# Altium PCB DCAR_Motors_Relays.PcbDoc (part 3 of 4)
Units mm, origin at the board's own origin, x right, y up, seen from the top; angles counter-clockwise.
Board outline 250 x 200 mm, 2 copper layers (Top Layer, Bottom Layer), stack 1.58 mm thick; 518 components, 309 nets, 1482 pads, 776 vias.
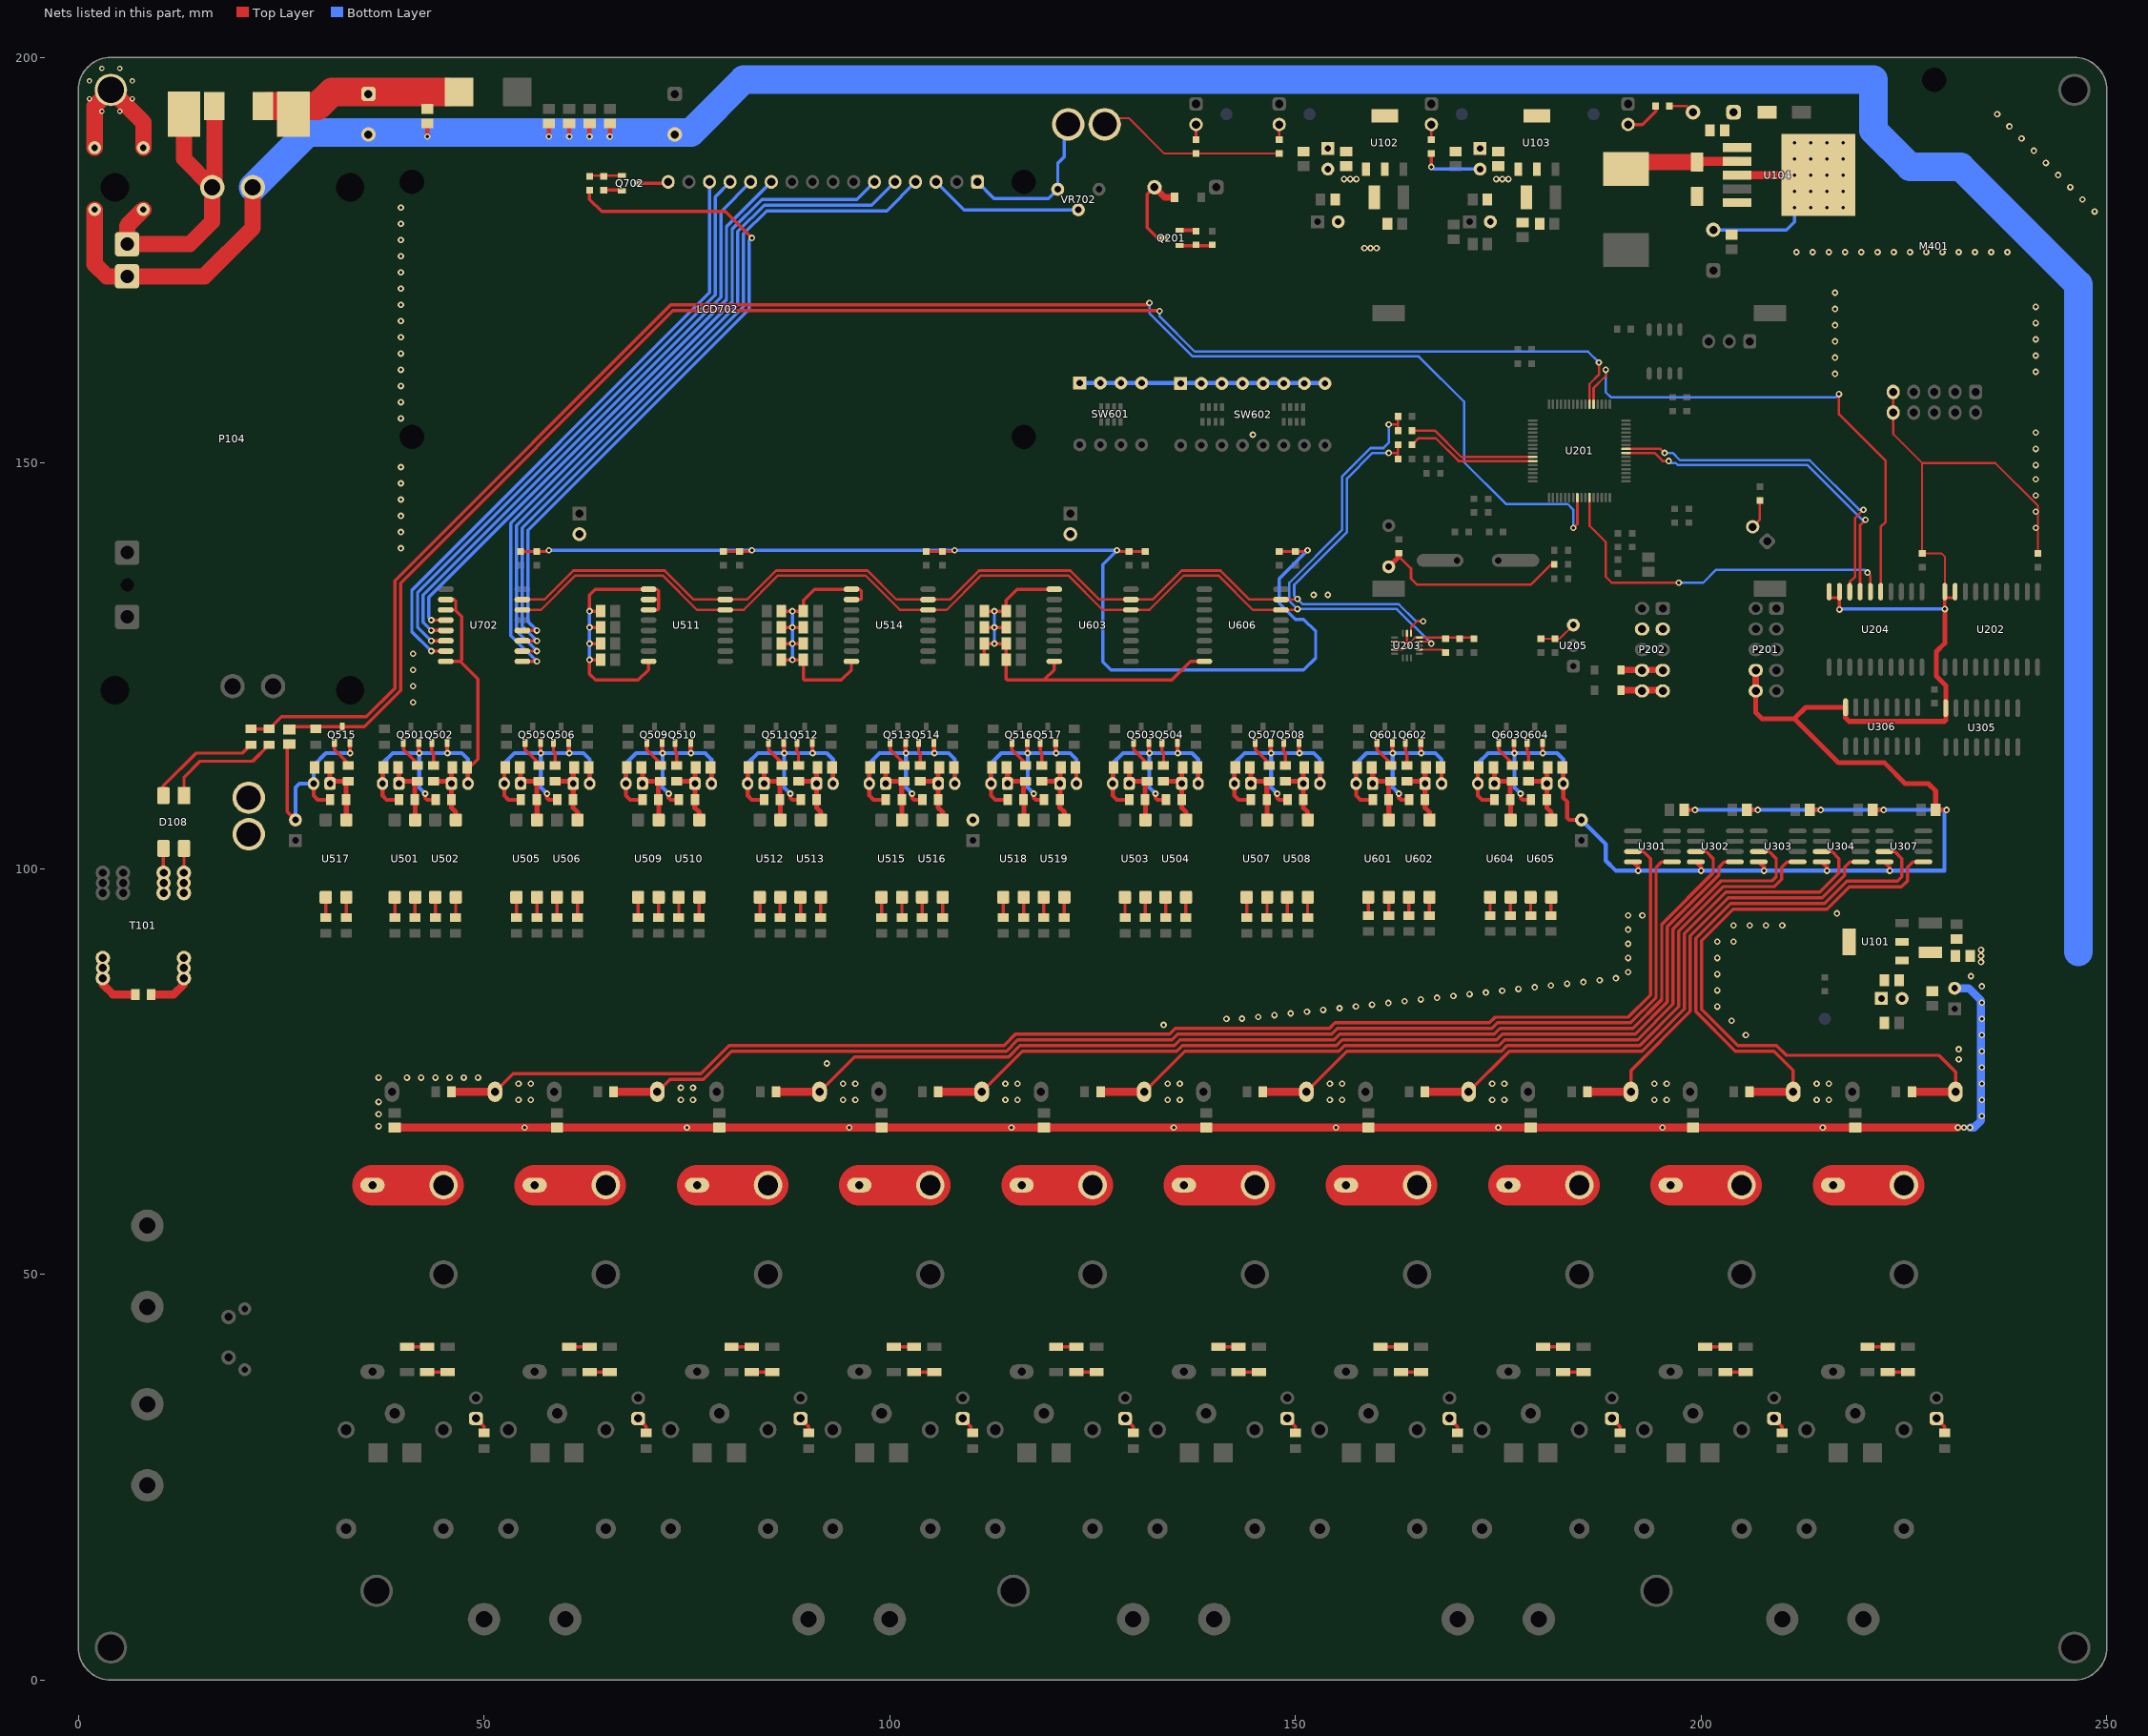
[diagram p3: the nets of this part, all layers, seen from the top]

## Via types
v1: diameter 0.8, hole 0.4, Top Layer to Bottom Layer, tented both sides, 720 vias
v2: diameter 0.66, hole 0.33, Top Layer to Bottom Layer, tented both sides, 56 vias

## Nets (pads, with @x,y where several pads share a name; then routed paths per layer and width w, separated by ;. In a path a pad name is that pad's centre, name@x,y a point inside that pad or via, vN(x,y) a via of type N, cw(c..) or ccw(c..) an arc to the next point about the centre after c; other vN are vias at no path point) (continued)
GND: C102.2 C103.2 C104.2 C105.2 C106.1 C113.2 C114.2 C115.2 C116.2 C117.2 C118.2 C119.2 C120.2 C121.2 C122.2 C124.2 C125.2 C126.2 C128.2 C129.2 C132.2 C134.2 C135.2 C136.2 C216.2 C217.2 C218.2 C219.2 C220.2 C223.2 C311.2 C312.2 C313.2 C314.2 C315.2 C501.2 C502.2 C503.2 C504.2 C505.2 C506.2 C507.2 C508.2 C509.1 C510.1 C511.1 C512.1 C513.1 C514.1 C515.1 C516.1 C517.2 C518.2 C519.1 C520.1 C521.1 C522.1 C523.1 C524.1 C525.1 C526.1 C527.2 C528.2 C529.2 C530.2 C531.2 C532.2 C533.2 C534.2 C535.2 C536.2 C537.2 C538.1 C539.2 C540.2 C541.2 C542.2 C543.2 C544.2 C545.2 C546.2 C547.2 C548.2 C549.2 C550.2 C551.2 C552.2 C553.2 C554.2 C555.2 C556.2 C557.2 C558.2 C559.2 C560.2 C601.2 C602.2 C603.2 C604.2 C605.2 C606.2 C607.1 C608.1 C609.1 C610.1 C611.2 C612.2 C613.2 C614.2 C615.2 C616.2 C702.2 C703.2 D106.1 D108.2 GND1.1 GND2.1 GND3.1 GND4.1 L106.1 L203.1 LCD702.1 M401.9 M401.10 P103.2 P104.4 P201.8 P201.10 P202.3 P202.4 Q201.2 Q501.2 Q502.2 Q503.2 Q504.2 Q505.2 Q506.2 Q507.2 Q508.2 Q509.2 Q510.2 Q511.2 Q512.2 Q513.2 Q514.2 Q515.2 Q516.2 Q517.2 Q601.2 Q602.2 Q603.2 Q604.2 Q702.2 R101.1 R102.1 R104.1 R105.1 R106.1 R208.1 R215.1 R513.1 R514.1 R515.1 R516.1 R529.1 R530.1 R531.1 R532.1 R539.1 R540.1 R547.1 R548.1 R555.1 R556.1 R566.1 R567.1 R568.1 R607.1 R608.1 R615.1 R616.1 R703.1 SW601.1 SW601.2 SW601.3 SW601.4 SW602.1 SW602.2 SW602.3 SW602.4 SW602.5 SW602.6 SW602.7 SW602.8 U102.1 U103.1 U104.3 U104.5 U104.6 U202.9 U202.10 U203.5 U203.7 U203.10 U203.12 U204.9 U204.10 U205.3 U301.4 U302.4 U303.4 U304.4 U305.8 U306.8 U307.4 U511.1 U511.2 U511.3 U511.8 U514.1 U514.2 U514.8 U603.1 U603.8 U606.8 U702.2 U702.3 U702.8 VR702.3 | length 1435.9
  Top Layer w0.25: GND3.1@125.75,192.5 129.5,192.5 133.85,188.15 R101.1@137.75,188.15 R102.1@148,188.15 ; U203.12@162.225,127 163.25,127 v1(163.75,127.5) ; U203.10@162.225,128 163.25,128 v1(163.75,127.5) ; U203.7@163.75,129.025 v1(163.75,127.5) ; C217.2@170.25,128.35 C217.2@170.1,128.5 ; C218.2@172,128.35 171.85,128.5 C217.2@170.1,128.5 ; C223.2@180.25,128.35 R215.1@182,128.35 182.56,128.35 U205.3@184.25,130.04 ; R104.1@196.1,194 198.25,194 C124.2@199,193.25 ; M401.9@223.67,158.77 M401.10@223.67,156.23 223.67,153.58 227.25,150 ; U202.10@230.035,134.15 230.035,138.465 229.65,138.85 C216.2@227.25,138.85 227.25,150 ; C220.2@241.5,138.85 241.5,144.75 236.25,150 227.25,150 ; v1(163.75,127.5) 164.75,128.5 U203.5@165.275,128.5 C217.2@170.1,128.5
  Top Layer w0.4: D108.2@10.48,109 10.48,110.23 14.5,114.25 20.225,114.25 R105.1@21.25,115.275 ; C538.1@25.75,115.35 25.75,107.02 C558.2@26.75,106.02 ; U702.8@45.275,125.555 47.055,125.555 ; U702.2@45.275,133.175 46.325,133.175 46.5,133 46.5,132 46.405,131.905 47.25,131.06 47.25,125.75 47.055,125.555 ; C502.2@47.9,112.5 48.25,112.5 49.25,113.5 49.25,123.36 47.055,125.555 ; C702.2@54.5,139.1 C703.2@56.5,139.1 57.85,139.1 v1(58,139.25) ; v1(63,127.75) C511.1@64.35,127.75 ; v1(63,129.75) C510.1@64.35,129.75 ; C512.1@64.35,125.75 v1(63,125.75) 63,124 63.75,123.25 69,123.25 70.275,124.525 U511.8@70.275,125.555 ; C509.1@64.35,131.75 v1(63,131.75) 63,133.75 63.695,134.445 U511.1@70.275,134.445 71.305,134.445 71.5,134.25 71.5,133.25 ; R703.1@64.75,183.65 66.9,183.65 Q702.2@67,183.55 ; U511.3@70.275,131.905 71.405,131.905 71.5,132 71.5,133.25 ; U511.2@70.275,133.175 71.425,133.175 71.5,133.25 ; C528.2@79.5,139.1 C527.2@81.5,139.1 82.85,139.1 v1(83,139.25) ; C513.1@86.65,125.75 v1(88,125.75) C522.1@89.35,125.75 89.35,123.4 89.5,123.25 94,123.25 95.275,124.525 U514.8@95.275,125.555 ; C514.1@86.65,127.75 v1(88,127.75) C521.1@89.35,127.75 ; C515.1@86.65,129.75 v1(88,129.75) C520.1@89.35,129.75 ; C516.1@86.65,131.75 v1(88,131.75) C519.1@89.35,131.75 89.35,133.1 90.695,134.445 U514.1@95.275,134.445 96.305,134.445 96.5,134.25 96.5,133.25 96.425,133.175 U514.2@95.275,133.175 ; C534.2@104.5,139.1 107.85,139.1 v1(108,139.25) ; C525.1@111.55,129.75 v1(112.9,129.75) C608.1@114.25,129.75 ; C526.1@111.55,131.75 v1(112.9,131.75) C607.1@114.25,131.75 ; C523.1@111.65,125.75 C524.1@111.65,127.75 v1(112.9,127.75) C609.1@114.25,127.75 ; C609.1@114.35,127.75 C610.1@114.35,125.75 114.35,123.4 114.5,123.25 119,123.25 ; C607.1@114.35,131.75 114.35,133.1 115.695,134.445 U603.1@120.275,134.445 ; U603.8@120.275,125.555 120.275,124.525 119,123.25 ; v1(128,139.25) 128.15,139.1 C604.2@129.5,139.1 C603.2@131.5,139.1 ; U606.8@138.775,125.555 137.055,125.555 134.75,123.25 119,123.25 ; C612.2@148,139.1 C611.2@150,139.1 151.35,139.1 v1(151.5,139.25) ; v1(166.75,186.5) R106.1@166.75,188.15 ; U204.10@215.785,133.4 U204.9@217.055,133.4 ; v1(217.055,131.945) U204.9@217.055,133.4 ; U204.9@217.055,134.15 U204.9@217.055,133.4 ; v1(230.035,132) 230.035,133.4 U202.9@231.305,133.4
  Top Layer w0.5: C555.2@28.984,110.5 28.984,109.016 29.5,108.5 R566.1@31.025,108.5 ; Q515.2@33.45,115.5 33.45,114.3 v1(33.5,114.25) ; C501.2@37.6,112.5 37.484,112.384 C539.2@37.484,110.5 37.484,109.016 38,108.5 R513.1@39.525,108.5 ; Q501.2@41.95,115.5 41.95,114.3 v1(42,114.25) ; v1(42.75,109.25) 42.75,108.75 43,108.5 R514.1@44.025,108.5 ; v1(43,190.25) C105.2@43,191.85 ; Q502.2@45.45,115.5 45.45,114.3 v1(45.5,114.25) ; C502.2@47.9,112.5 48.016,112.384 C540.2@48.016,110.5 ; C505.2@52.6,112.5 52.484,112.384 52.484,109.016 53,108.5 R529.1@54.525,108.5 ; Q505.2@56.95,115.5 56.95,114.3 v1(57,114.25) ; v1(57.75,109.25) 57.75,108.75 58,108.5 R530.1@59.025,108.5 ; v1(58,190.25) C102.2@58,191.85 ; Q506.2@60.45,115.5 60.45,114.3 v1(60.5,114.25) ; v1(60.5,190.25) C134.2@60.5,191.85 ; C506.2@62.9,112.5 63.016,112.384 C544.2@63.016,110.5 ; v1(63,190.25) C135.2@63,191.85 ; v1(65.5,190.25) C136.2@65.5,191.85 ; C517.2@67.6,112.5 67.484,112.384 67.484,109.016 68,108.5 R539.1@69.525,108.5 ; Q509.2@71.95,115.5 71.95,114.3 v1(72,114.25) ; v1(72.75,109.25) 72.75,108.75 73,108.5 R540.1@74.025,108.5 ; Q510.2@75.45,115.5 75.45,114.3 v1(75.5,114.25) ; C518.2@77.9,112.5 78.016,112.384 C548.2@78.016,110.5 ; C529.2@82.6,112.5 82.484,112.384 82.484,109.016 83,108.5 R547.1@84.525,108.5 ; Q511.2@86.95,115.5 86.95,114.3 v1(87,114.25) ; v1(87.75,109.25) 87.75,108.75 88,108.5 R548.1@89.025,108.5 ; Q512.2@90.45,115.5 90.45,114.3 v1(90.5,114.25) ; C530.2@92.9,112.5 93.016,112.384 C550.2@93.016,110.5 ; C531.2@97.6,112.5 97.484,112.384 97.484,109.016 98,108.5 R555.1@99.525,108.5 ; Q513.2@101.95,115.5 101.95,114.3 v1(102,114.25) ; v1(102.75,109.25) 102.75,108.75 103,108.5 R556.1@104.025,108.5 ; Q514.2@105.45,115.5 105.45,114.3 v1(105.5,114.25) ; C532.2@107.9,112.5 108.016,112.384 C552.2@108.016,110.5 ; C536.2@112.6,112.5 112.484,112.384 112.484,109.016 113,108.5 R567.1@114.525,108.5 ; Q516.2@116.95,115.5 116.95,114.3 v1(117,114.25) ; v1(117.75,109.25) 117.75,108.75 118,108.5 R568.1@119.025,108.5 ; Q517.2@120.45,115.5 120.45,114.3 v1(120.5,114.25) ; C537.2@122.9,112.5 123.016,112.384 C554.2@123.016,110.5 ; C503.2@127.6,112.5 127.484,112.384 127.484,109.016 128,108.5 R515.1@129.525,108.5 ; Q503.2@131.95,115.5 131.95,114.3 v1(132,114.25) ; v1(132.75,109.25) 132.75,108.75 133,108.5 R516.1@134.025,108.5 ; Q504.2@135.45,115.5 135.45,114.3 v1(135.5,114.25) ; Q201.2@135.75,178.7 137.65,178.7 R208.1@137.75,178.6 ; C504.2@137.9,112.5 138.016,112.384 C542.2@138.016,110.5 ; C507.2@142.6,112.5 142.484,112.384 142.484,109.016 143,108.5 R531.1@144.525,108.5 ; Q507.2@146.95,115.5 146.95,114.3 v1(147,114.25) ; v1(147.75,109.25) 147.75,108.75 148,108.5 R532.1@149.025,108.5 ; Q508.2@150.45,115.5 150.45,114.3 v1(150.5,114.25) ; C508.2@152.9,112.5 153.016,112.384 C546.2@153.016,110.5 ; C601.2@157.6,112.5 157.484,112.384 157.484,109.016 158,108.5 R607.1@159.525,108.5 ; Q601.2@161.95,115.5 161.95,114.3 v1(162,114.25) ; v1(162.75,109.25) 162.75,108.75 163,108.5 R608.1@164.025,108.5 ; Q602.2@165.45,115.5 165.45,114.3 v1(165.5,114.25) ; C602.2@167.9,112.5 168.016,112.384 C614.2@168.016,110.5 ; C605.2@172.6,112.5 172.484,112.384 172.484,109.016 173,108.5 R615.1@174.525,108.5 ; Q603.2@176.95,115.5 176.95,114.3 v1(177,114.25) ; v1(177.75,109.25) 177.75,108.75 178,108.5 R616.1@179.025,108.5 ; Q604.2@180.45,115.5 180.45,114.3 v1(180.5,114.25) ; C606.2@182.9,112.5 183.016,112.384 C616.2@183.016,110.5 183.016,108.734 183.5,108.25 183.5,106.25 183.73,106.02 C556.2@185.25,106.02 ; U301.4@191.6,100.845 192.25,100.195 v1(192.25,99.75) ; C311.2@197.85,107.25 v1(199.25,107.25) ; U302.4@199.35,100.845 200,100.195 v1(200,99.75) ; C312.2@205.6,107.25 v1(207,107.25) ; U303.4@207.1,100.845 207.75,100.195 v1(207.75,99.75) ; C313.2@213.35,107.25 v1(214.75,107.25) ; U304.4@214.85,100.845 215.5,100.195 v1(215.5,99.75) ; C314.2@221.1,107.25 v1(222.5,107.25) ; U307.4@222.6,100.845 223.25,100.195 v1(223.25,99.75) ; C315.2@228.9,107.25 v1(230.25,107.25)
  Top Layer w0.6: P201.10@206.73,121.92 206.73,119.27 207.5,118.5 211.5,118.5 ; C315.2@228.9,107.25 228.9,109.6 228,110.5 225.159,110.5 222.609,113.05 216.95,113.05 211.5,118.5 ; v1(230.035,132) 230.035,127.785 229,126.75 229,123.75 230.15,122.6 U305.8@230.15,119.8 230.15,118.3 230,118.15 218.25,118.15 217.805,118.595 U306.8@217.805,119.9 212.9,119.9 211.5,118.5
  Top Layer w0.8: P201.10@206.73,121.92 P201.8@206.73,124.46
  Top Layer w1: U104.3@204.45,185.5 U104.6@214.45,185.5
  Top Layer w2: C106.1@2,181.25 2,174.5 3.48,173.02 P103.2@6,173.02 15.52,173.02 21.5,179 P104.4@21.5,184
  Bottom Layer w0.4: v1(58,139.25) v1(83,139.25) v1(108,139.25) v1(128,139.25) 126.25,137.5 126.25,125.5 127.25,124.5 151,124.5 152.5,126 152.5,129.25 151,130.75 150,130.75 148,132.75 148,135.75 v1(151.5,139.25) ; v1(63,125.75) v1(63,129.75) v1(63,131.75) ; v1(88,125.75) v1(88,127.75) v1(88,131.75) ; LCD702.1@110.8,184.65 112.84,182.61 119.57,182.61 VR702.3@120.71,183.75 120.71,186.96 121.5,187.75 GND2.1@121.5,192.5 ; v1(112.9,127.75) v1(112.9,131.75) ; v1(166.75,186.5) 167.02,186.23 C128.2@172.75,186.23 ; C126.2@201.5,178.75 210.5,178.75 211.5,179.75 v1(211.5,181.5) ; v1(217.055,131.945) 217.11,132 v1(230.035,132)
  Bottom Layer w0.5: C558.2@26.75,106.02 26.75,110 27.25,110.5 C555.2@28.984,110.5 28.984,112.734 30.5,114.25 v1(33.5,114.25) ; C539.2@37.484,110.5 37.484,112.984 38.75,114.25 v1(42,114.25) ; v1(42.75,109.25) 42,110 v1(42,114.25) ; C540.2@48.016,110.5 48.016,113.484 47.25,114.25 v1(45.5,114.25) v1(42,114.25) ; C543.2@52.484,110.5 52.484,112.984 53.75,114.25 v1(57,114.25) ; v1(57.75,109.25) 57,110 v1(57,114.25) ; C544.2@63.016,110.5 63.016,113.484 62.25,114.25 v1(60.5,114.25) v1(57,114.25) ; C547.2@67.484,110.5 67.484,112.984 68.75,114.25 v1(72,114.25) ; v1(72.75,109.25) 72,110 v1(72,114.25) ; C548.2@78.016,110.5 78.016,113.484 77.25,114.25 v1(75.5,114.25) v1(72,114.25) ; C549.2@82.484,110.5 82.484,112.984 83.75,114.25 v1(87,114.25) ; v1(87.75,109.25) 87,110 v1(87,114.25) ; C550.2@93.016,110.5 93.016,113.484 92.25,114.25 v1(90.5,114.25) v1(87,114.25) ; C551.2@97.484,110.5 97.484,112.984 98.75,114.25 v1(102,114.25) ; v1(102.75,109.25) 102,110 v1(102,114.25) ; C552.2@108.016,110.5 108.016,113.484 107.25,114.25 v1(105.5,114.25) v1(102,114.25) ; C553.2@112.484,110.5 112.484,112.984 113.75,114.25 v1(117,114.25) ; v1(117.75,109.25) 117,110 v1(117,114.25) ; C554.2@123.016,110.5 123.016,113.484 122.25,114.25 v1(120.5,114.25) v1(117,114.25) ; SW601.1@123.42,159.87 SW601.2@125.96,159.87 SW601.3@128.5,159.87 SW601.4@131.04,159.87 153.58,159.87 SW602.8@153.64,159.81 ; C541.2@127.484,110.5 127.484,112.984 128.75,114.25 v1(132,114.25) ; v1(132.75,109.25) 132,110 v1(132,114.25) ; C542.2@138.016,110.5 138.016,113.484 137.25,114.25 v1(135.5,114.25) v1(132,114.25) ; C545.2@142.484,110.5 142.484,112.984 143.75,114.25 v1(147,114.25) ; v1(147.75,109.25) 147,110 v1(147,114.25) ; C546.2@153.016,110.5 153.016,113.484 152.25,114.25 v1(150.5,114.25) v1(147,114.25) ; C613.2@157.484,110.5 157.484,112.984 158.75,114.25 v1(162,114.25) ; v1(162.75,109.25) 162,110 v1(162,114.25) ; C614.2@168.016,110.5 168.016,113.484 167.25,114.25 v1(165.5,114.25) v1(162,114.25) ; C615.2@172.484,110.5 172.484,112.984 173.75,114.25 v1(177,114.25) ; v1(177.75,109.25) 177,110 v1(177,114.25) ; C616.2@183.016,110.5 183.016,113.484 182.25,114.25 v1(180.5,114.25) v1(177,114.25) ; C556.2@185.25,106.02 188.25,103.02 188.25,101 189.5,99.75 v1(192.25,99.75) v1(200,99.75) v1(207.75,99.75) v1(215.5,99.75) v1(223.25,99.75) 230,99.75 v1@230,107.25 ; v1(199.25,107.25) v1(207,107.25) v1(214.75,107.25) v1(222.5,107.25) v1@230,107.25 ; v1(230.25,107.25) v1@230,107.25
  Bottom Layer w3.5: P104.4@21.5,184 28.25,190.75 75.5,190.75 82,197.25 221.25,197.25 221.25,191 225.75,186.5 232,186.5 246.5,172 246.5,89.75
  other v1: 234.5,88.5 234.5,89.25 234.5,90 41.25,120.5 41.25,122.5 41.25,124.5 41.25,126.5 152.25,133.75 154,133.75 39.75,139.5 39.75,141.5 241.25,142 39.75,143.5 241.25,144 39.75,145.5 241.25,146 39.75,147.5 241.25,148 39.75,149.5 241.25,149.75 241.25,151.75 144.75,153.5 241.25,153.75 39.75,155.5 39.75,157.5 39.75,159.5 216.5,161 241.25,161.25 39.75,161.5 216.5,163 241.25,163.25 39.75,163.5 216.5,165 241.25,165.25 39.75,165.5 216.5,167 241.25,167.25 39.75,167.5 216.5,169 241.25,169.25 39.75,169.5 216.5,171 39.75,171.5 39.75,173.5 39.75,175.5 211.75,176 213.75,176 215.75,176 217.75,176 219.75,176 221.75,176 223.75,176 225.75,176 227.75,176 229.75,176 231.75,176 233.75,176 235.75,176 237.75,176 158.5,176.5 159.25,176.5 160,176.5 39.75,177.5 39.75,179.5 248.5,181 39.75,181.5 213.5,181.5 215.5,181.5 217.5,181.5 247,182.5 211.5,183.5 213.5,183.5 215.5,183.5 217.5,183.5 245.5,184 156,185 156.75,185 157.5,185 174.75,185 175.5,185 176.25,185 211.5,185.5 213.5,185.5 215.5,185.5 217.5,185.5 244,185.5 242.5,187 211.5,187.5 213.5,187.5 215.5,187.5 217.5,187.5 241,188.5 211.5,189.5 213.5,189.5 215.5,189.5 217.5,189.5 239.5,190 238,191.5 236.5,193
GND18: C108.2 C109.2 C110.2 C111.2 C112.2 C123.2 C301.2 C302.2 C303.2 C304.2 C305.2 C306.2 C307.2 C308.2 C309.2 C310.2 L106.2 U101.1 | length 213
  Top Layer w1: C306.2@39,68.1 C307.2@59,68.1 C308.2@79,68.1 C309.2@99,68.1 C310.2@119,68.1 C301.2@139,68.1 C302.2@159,68.1 C303.2@179,68.1 C304.2@199,68.1 C305.2@219,68.1 v1(231.65,68.1)
  Bottom Layer w1: C112.2@231.25,85.27 232.98,85.27 234.5,83.75 234.5,68.95 233.65,68.1 v1(233.15,68.1)
  other v1: 55,68.1 75,68.1 95,68.1 115,68.1 135,68.1 155,68.1 175,68.1 195.25,68.1 215,68.1 232.4,68.1 37,68.25 234.6,69.5 37,69.75 37,71.25 54.25,71.5 55.75,71.5 74.25,71.5 75.75,71.5 94.25,71.5 95.75,71.5 114.25,71.5 115.75,71.5 134.25,71.5 135.75,71.5 154.25,71.5 155.75,71.5 174.25,71.5 175.75,71.5 194.25,71.5 195.75,71.5 214.25,71.5 215.75,71.5 234.6,71.5 74.25,73 75.75,73 54.25,73.5 55.75,73.5 94.25,73.5 95.75,73.5 114.25,73.5 115.75,73.5 134.25,73.5 135.75,73.5 154.25,73.5 155.75,73.5 174.25,73.5 175.75,73.5 194.25,73.5 195.75,73.5 214.25,73.5 215.75,73.5 234.6,73.5 37,74.25 40.5,74.25 42.25,74.25 44,74.25 45.75,74.25 47.5,74.25 49.25,74.25 234.6,75.5 92.25,76 231.75,76.5 234.6,77.5 231.75,77.75 205.5,79.5 234.6,79.5 133.75,80.75 203.75,81.25 141.5,81.5 143.411,81.519 234.6,81.5 145.415,81.734 147.419,81.949 149.423,82.164 151.427,82.379 153.431,82.594 155.435,82.809 202,83 157.439,83.024 159.443,83.239 161.447,83.454 234.6,83.5 163.451,83.669 165.455,83.884 167.459,84.099 169.463,84.314 171.468,84.53 173.472,84.745 175.476,84.96 202,85 177.48,85.175 179.484,85.39 234.6,85.5 181.488,85.605 183.492,85.82 185.496,86.035 187.5,86.25 189.5,86.5 233.25,86.75 202,87 191,87.25 191,89 202,89 191,90.75 202,91 204,91 191,92.5 204,93 206,93 208,93 210,93 191,94.25 192.75,94.25 216.75,94.5
GNDEARTH: C106.2 C107.2 H6.1 | length 16.7
  Top Layer w2: C106.2@2,188.87 2,194 H6.1@4,196 8,192 C107.2@8,188.87
  other v2: 2.9,193.35 5.1,193.35 1.35,194.9 6.65,194.9 1.35,197.1 6.65,197.1 2.9,198.65 5.1,198.65
I2C1_SCL: R210.2 R212.1 U203.4 U511.14 U514.14 U603.14 U606.14 U702.14 | length 161.6
  Top Layer w0.25: U203.4@165.275,128 166.5,128 v1(166.75,127.75)
  Top Layer w0.3: U702.14@54.725,131.905 57.004,131.905 61.249,136.15 72.001,136.15 76.246,131.905 U511.14@79.725,131.905 82.004,131.905 86.249,136.15 97.001,136.15 101.246,131.905 U514.14@104.725,131.905 107.004,131.905 111.249,136.15 122.001,136.15 126.246,131.905 132.004,131.905 136.249,136.15 140.501,136.15 144.746,131.905 U606.14@148.225,131.905 150.155,131.905 v1(150.25,132) ; v1(161.5,154.75) 162.525,154.75 162.65,154.875 ; R210.2@162.65,154 162.65,154.875 ; R212.1@162.65,155.75 162.65,154.875
  Bottom Layer w0.3: v1(161.5,154.75) 161.5,152.5 160.85,151.85 159.251,151.85 155.75,148.349 155.75,141.75 149.25,135.25 149.25,133 v1(150.25,132) 162.5,132 v1(166.75,127.75)
I2C1_SDA: R211.2 R213.1 U203.6 U511.15 U514.15 U603.15 U606.15 U702.15 | length 153.7
  Top Layer w0.25: U203.6@164.25,129.025 164.25,129.75 165,130.5 v1(165.75,130.5)
  Top Layer w0.3: U702.15@54.725,133.175 57.425,133.175 61,136.75 72.25,136.75 75.825,133.175 U511.15@79.725,133.175 82.425,133.175 86,136.75 97.25,136.75 100.825,133.175 U514.15@104.725,133.175 107.425,133.175 111,136.75 122.25,136.75 125.825,133.175 132.425,133.175 136,136.75 140.75,136.75 144.325,133.175 U606.15@148.225,133.175 150.175,133.175 v1(150.25,133.25) ; v1(161.5,151.25) 162.525,151.25 162.65,151.375 ; R213.1@162.65,150.5 162.65,151.375 ; R211.2@162.65,152.25 162.65,151.375
  Bottom Layer w0.3: v1(161.5,151.25) 159.5,151.25 156.35,148.1 156.35,141.501 149.85,135.001 149.85,133.65 v1(150.25,133.25) 150.9,132.6 162.749,132.6 164.849,130.5 v1(165.75,130.5)
LCD_BL: R702.2 U702.12 | length 85.2
  Top Layer w0.4: U702.12@54.725,129.365 v1(56.5,129.365) ; R702.2@63,183.65 63,182.5 64.5,181 79.75,181 v1(83,177.75)
  Bottom Layer w0.4: v1(56.5,129.365) 55.4,130.465 55.4,141.7 82.68,168.98 82.68,177.43 v1(83,177.75)